# Altium PCB BTF16_2.PcbDoc (part 3 of 4)
Units mm, origin at the board's own origin, x right, y up, seen from the top; angles counter-clockwise.
Board outline 150 x 212.5 mm, 4 copper layers (L1, L2, L3, L4), stack 1.606 mm thick; 313 components, 135 nets, 1767 pads, 1746 vias.
Unrouted connection lines stored in the file: 6.
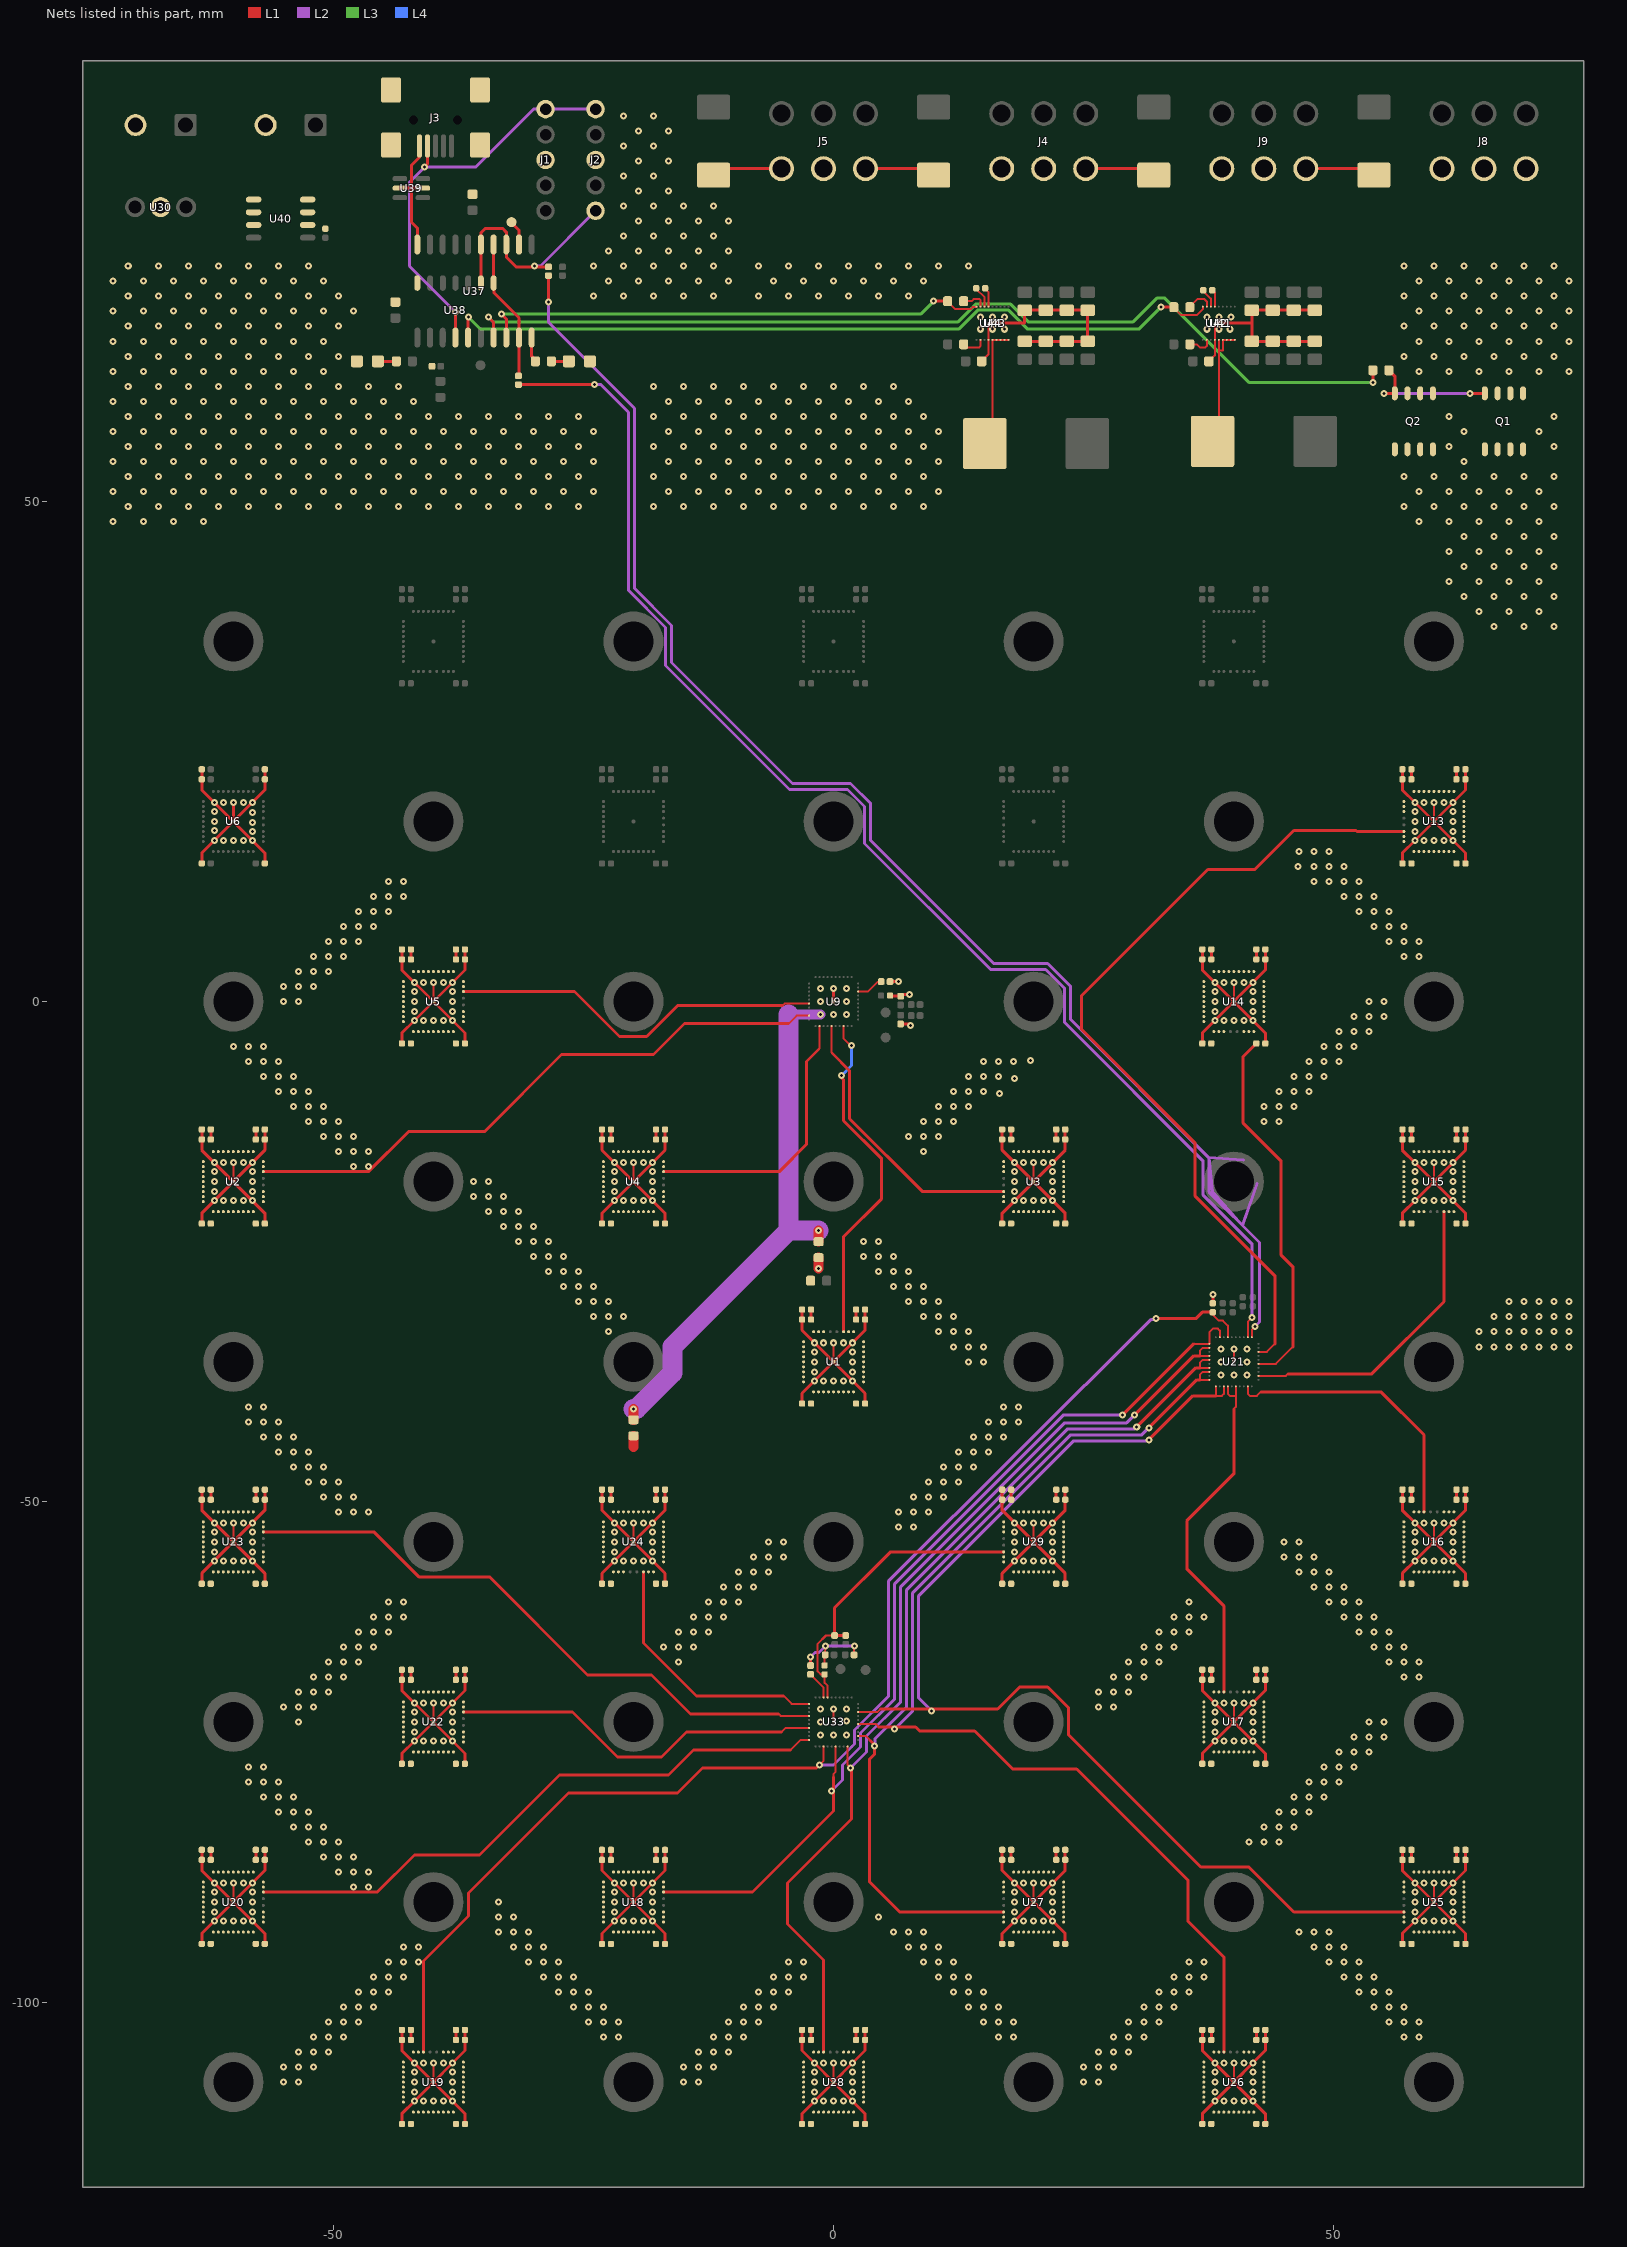
[diagram p5: the nets of this part, all layers, seen from the top]

## Via types
v1: diameter 0.7/0.7/0.7/0.7 (per signal layer), hole 0.3, L1 to L4, 1746 vias

## Nets (pads, with @x,y where several pads share a name; then routed paths per layer and width w, separated by ;. In a path a pad name is that pad's centre, name@x,y a point inside that pad or via, vN(x,y) a via of type N, cw(c..) or ccw(c..) an arc to the next point about the centre after c; other vN are vias at no path point) (continued)
GND: C206.2 C207.2 C208.2 C209.2 C211.2 C212.2 C213.2 C214.2 C215.2 C216.2 C217.2 C218.2 C219.2 C221.2 C222.2 C223.2 C224.2 C225.2 C226.2 C227.2 C228.2 D1.1 D2.2 D3.1 D4.2 D5.2 D6.2 J1.3 J2.3 J3.5 J3.6 J3.7 J3.8 J3.9 J4.4 J4.5 J4.6 J5.4 J5.5 J5.6 J6.2 J7.2 J8.4 J8.5 J8.6 J9.4 J9.5 J9.6 Q1.1 Q1.2 Q1.3 Q2.1 Q2.2 Q2.3 R12.2 U30.2 U37.20 U38.14 U39.2 U39.5 U40.2 U40.3 U40.4 U40.5 U40.6 U40.7 U41.3 U41.17 U42.4 U42.17 U43.3 U43.17 U44.4 U44.17 | length 90.8
  L1 w0.2: C219.2@14.8,64 14.8,64.025 15.5,64.725 U43.3@15.5,66.15 15.5,67.8 U44.17@15.7,67.8 ; C209.2@37.5,64 38.1,64.6 U41.3@38.1,66.15 38.1,67.6 U42.17@38.3,67.8
  L1 w0.3: U39.2@-43.35,81.3 -42.2,81.3 ; U37.20@-41.607,75.67 -41.6,75.677 -41.6,77.3 -42.2,77.9 -42.2,81.3 ; J3.5@-41.392,85.52 -41.392,84.4 -42.2,83.6 -42.2,81.3 ; U39.5@-41.05,81.3 -42.2,81.3 ; D4.2@-12,82.6 -12,83.25 J5.4@-5.2,83.25 ; J5.6@3.2,83.25 10.1,83.25 10,83.15 D2.2@10,82.6 ; U44.17@15.7,67.8 U43.17@16.1,67.8 19.1,67.8 C226.2@19.1,69.1 C227.2@21.2,69.1 C228.2@23.3,69.1 C225.2@25.4,69.1 C224.2@25.4,66 C221.2@23.3,66 C223.2@21.2,66 C222.2@19.1,66 ; J4.6@25.2,83.25 31.8,83.25 32,83.05 D5.2@32,82.6 ; U42.17@38.3,67.8 U41.17@38.5,67.8 ; v1(38.5,68.4) U41.17@38.5,67.8 ; J9.6@47.2,83.25 53.35,83.25 D6.2@54,82.6 ; C214.2@48.1,66 C211.2@46,66 C213.2@43.9,66 C212.2@41.8,66 41.8,67.8 ; C215.2@48.1,69.1 C218.2@46,69.1 C217.2@43.9,69.1 C216.2@41.8,69.1 41.8,67.8 ; U41.17@38.5,67.8 U41.17@38.7,67.8 41.8,67.8
  other v1: -72,48 -69,48 -66,48 -63,48 -70.5,49.5 -67.5,49.5 -64.5,49.5 -61.5,49.5 -58.5,49.5 -55.5,49.5 -52.5,49.5 -49.5,49.5 -46.5,49.5 -43.5,49.5 -40.5,49.5 -37.5,49.5 -34.5,49.5 -31.5,49.5 -28.5,49.5 -25.5,49.5 -18,49.5 -15,49.5 -12,49.5 -9,49.5 -6,49.5 -3,49.5 0,49.5 3,49.5 6,49.5 9,49.5 -72,51 -69,51 -66,51 -63,51 -60,51 -57,51 -54,51 -51,51 -48,51 -45,51 -42,51 -39,51 -36,51 -33,51 -30,51 -27,51 -24,51 -16.5,51 -13.5,51 -10.5,51 -7.5,51 -4.5,51 -1.5,51 1.5,51 4.5,51 7.5,51 10.5,51 -70.5,52.5 -67.5,52.5 -64.5,52.5 -61.5,52.5 -58.5,52.5 -55.5,52.5 -52.5,52.5 -49.5,52.5 -46.5,52.5 -43.5,52.5 -40.5,52.5 -37.5,52.5 -34.5,52.5 -31.5,52.5 -28.5,52.5 -25.5,52.5 -18,52.5 -15,52.5 -12,52.5 -9,52.5 -6,52.5 -3,52.5 0,52.5 3,52.5 6,52.5 9,52.5 -72,54 -69,54 -66,54 -63,54 -60,54 -57,54 -54,54 -51,54 -48,54 -45,54 -42,54 -39,54 -36,54 -33,54 -30,54 -27,54 -24,54 -16.5,54 -13.5,54 -10.5,54 -7.5,54 -4.5,54 -1.5,54 1.5,54 4.5,54 7.5,54 10.5,54 -70.5,55.5 -67.5,55.5 -64.5,55.5 -61.5,55.5 -58.5,55.5 -55.5,55.5 -52.5,55.5 -49.5,55.5 -46.5,55.5 -43.5,55.5 -40.5,55.5 -37.5,55.5 -34.5,55.5 -31.5,55.5 -28.5,55.5 -25.5,55.5 -18,55.5 -15,55.5 -12,55.5 -9,55.5 -6,55.5 -3,55.5 0,55.5 3,55.5 6,55.5 9,55.5 -72,57 -69,57 -66,57 -63,57 -60,57 -57,57 -54,57 -51,57 -48,57 -45,57 -42,57 -39,57 -36,57 -33,57 -30,57 -27,57 -24,57 -16.5,57 -13.5,57 -10.5,57 -7.5,57 -4.5,57 -1.5,57 1.5,57 4.5,57 7.5,57 10.5,57 -70.5,58.5 -67.5,58.5 -64.5,58.5 -61.5,58.5 -58.5,58.5 -55.5,58.5 -52.5,58.5 -49.5,58.5 -46.5,58.5 -43.5,58.5 -40.5,58.5 -37.5,58.5 -34.5,58.5 -31.5,58.5 -28.5,58.5 -25.5,58.5 -18,58.5 -15,58.5 -12,58.5 -9,58.5 -6,58.5 -3,58.5 0,58.5 3,58.5 6,58.5 9,58.5 -72,60 -69,60 -66,60 -63,60 -60,60 -57,60 -54,60 -51,60 -48,60 -45,60 -42,60 -16.5,60 -13.5,60 -10.5,60 -7.5,60 -4.5,60 -1.5,60 1.5,60 4.5,60 7.5,60 -70.5,61.5 -67.5,61.5 -64.5,61.5 -61.5,61.5 -58.5,61.5 -55.5,61.5 -52.5,61.5 -49.5,61.5 -46.5,61.5 -43.5,61.5 -18,61.5 -15,61.5 -12,61.5 -9,61.5 -6,61.5 -3,61.5 0,61.5 3,61.5 6,61.5 -72,63 -69,63 -66,63 -63,63 -60,63 -57,63 -54,63 -51,63 58.5,63 61.5,63 64.5,63 67.5,63 70.5,63 73.5,63 -70.5,64.5 -67.5,64.5 -64.5,64.5 -61.5,64.5 -58.5,64.5 -55.5,64.5 -52.5,64.5 -49.5,64.5 57,64.5 60,64.5 63,64.5 66,64.5 69,64.5 72,64.5 -72,66 -69,66 -66,66 -63,66 -60,66 -57,66 -54,66 -51,66 58.5,66 61.5,66 64.5,66 67.5,66 70.5,66 73.5,66 14.7,67.2 15.9,67.2 17.1,67.2 37.3,67.2 38.5,67.2 39.6,67.2 -70.5,67.5 -67.5,67.5 -64.5,67.5 -61.5,67.5 -58.5,67.5 -55.5,67.5 -52.5,67.5 -49.5,67.5 57,67.5 60,67.5 63,67.5 66,67.5 69,67.5 72,67.5 14.7,68.4 15.9,68.4 17.1,68.4 37.3,68.4 39.7,68.4 -72,69 -69,69 -66,69 -63,69 -60,69 -57,69 -54,69 -51,69 -48,69 58.5,69 61.5,69 64.5,69 67.5,69 70.5,69 73.5,69 -70.5,70.5 -67.5,70.5 -64.5,70.5 -61.5,70.5 -58.5,70.5 -55.5,70.5 -52.5,70.5 -49.5,70.5 -24,70.5 -21,70.5 -18,70.5 -15,70.5 -12,70.5 -7.5,70.5 -4.5,70.5 -1.5,70.5 1.5,70.5 4.5,70.5 7.5,70.5 57,70.5 60,70.5 63,70.5 66,70.5 69,70.5 72,70.5 -72,72 -69,72 -66,72 -63,72 -60,72 -57,72 -54,72 -51,72 -22.5,72 -19.5,72 -16.5,72 -13.5,72 -10.5,72 -6,72 -3,72 0,72 3,72 6,72 9,72 58.5,72 61.5,72 64.5,72 67.5,72 70.5,72 73.5,72 -70.5,73.5 -67.5,73.5 -64.5,73.5 -61.5,73.5 -58.5,73.5 -55.5,73.5 -52.5,73.5 -24,73.5 -21,73.5 -18,73.5 -15,73.5 -12,73.5 -7.5,73.5 -4.5,73.5 -1.5,73.5 1.5,73.5 4.5,73.5 7.5,73.5 10.5,73.5 13.5,73.5 57,73.5 60,73.5 63,73.5 66,73.5 69,73.5 72,73.5 -22.5,75 -19.5,75 -16.5,75 -13.5,75 -10.5,75 -21,76.5 -18,76.5 -15,76.5 -12,76.5 -19.5,78 -16.5,78 -13.5,78 -10.5,78 -21,79.5 -18,79.5 -15,79.5 -12,79.5 -19.5,81 -16.5,81 -21,82.5 -18,82.5 -19.5,84 -16.5,84 -21,85.5 -18,85.5 -19.5,87 -16.5,87 -21,88.5 -18,88.5
GND_M3: C49.2 R3.2 R4.2 R5.2 R24.1 R25.2 U9.41 | length 60
  L1 w0.3: U9.41@0,0 v1(0,1.3) ; R3.2@5.64,2 v1(6.5,2) ; C49.2@5.65,0.6 5.71,0.54 R4.2@6.7,0.54 6.8,0.64 6.8,0.7 v1(7.6,0.7) v1@7.6,0.54 ; R5.2@6.7,-2.24 7.7,-2.24 v1(7.7,-2.4)
  L1 w1: R25.2@-20,-41.8 v1(-20,-40.7) ; R24.1@-1.5,-24 v1(-1.5,-22.9)
  L2 w1: -4.5,-1.3 v1(-1.3,-1.3)
  L2 w2: v1(-20,-40.7) -19.7,-40.7 -16.1,-37.1 -16.1,-34.5 -4.5,-22.9 ; -4.5,-1.3 -4.5,-22.9 ; v1(-1.5,-22.9) -4.5,-22.9
  other v1: 0,-1.3 1.3,-1.3 -1.3,0 1.3,0 -1.3,1.3 1.3,1.3
MCLR: J1.1 J2.1 J3.4 U37.4 U38.4 | length 41.3
  L1 w0.3: v1(-40.9,83.4) -40.6,83.7 -40.592,83.7 J3.4@-40.592,85.52 ; v1(-37.8,68.9) -37.792,68.892 U38.4@-37.792,66.42
  L2 w0.3: v1(-37.8,68.9) -42.4,73.5 -42.4,81.9 v1(-40.9,83.4) -35.8,83.4 -30,89.2 J1.1@-28.792,89.2 J2.1@-23.792,89.2
MISO_MCU: J2.5 R16.1 U37.13 U37.15 U38.9 | length 23.5
  L1 w0.3: U38.9@-35.252,71.82 -35.257,71.825 U37.15@-35.257,75.67 -35.257,76.826 -34.8,77.283 -33.1,77.283 -32.717,76.9 U37.13@-32.717,75.67 -32.717,74.417 -31.74,73.44 v1@-29.9,73.44 ; v1(-29.9,73.5) v1@-29.9,73.44 ; R16.1@-28.5,73.44 v1@-29.9,73.44
  L2 w0.3: v1(-29.9,73.5) -29.868,73.532 -29.3,73.532 J2.5@-23.792,79.04
MISO_TX0: R16.2 U21.11 | length 158.3
  L1 w0.2: U21.11@41.8,-33.55 41.8,-32.8 v1(42.1,-32.5)
  L1 w0.3: v1(-28.5,69.9) R16.2@-28.5,72.56
  L2 w0.3: v1(-28.5,69.9) -28.5,67.9 -19.9,59.3 -19.9,41.3 -16.2,37.6 -16.2,33.9 -4.1,21.8 1.7,21.8 3.7,19.8 3.7,16.1 16,3.8 21.4,3.8 23.7,1.5 23.7,-1.8 37.5,-15.6 ; 37.894,-19.043 37.5,-15.6 ; 37.898,-19.05 40.868,-22.368 42.344,-18.166 ; 40.956,-15.853 37.5,-15.6 ; v1(42.1,-32.5) 42.575,-32.025 42.575,-24.075 37.5,-19 37.5,-15.6
MOSI_MCU: R15.1 U37.9 U37.14 U38.8 | length 14.2
  L1 w0.3: U37.14@-33.987,75.67 -33.987,71.825 U38.8@-33.982,71.82 -33.947,71.785 -33.947,70.847 -31.447,68.347 U37.9@-31.447,66.37 -31.447,62.593 R15.1@-31.5,62.54
MOSI_RX0: R15.2 U21.12 | length 137.2
  L1 w0.2: U21.12@41.4,-33.55 41.4,-32 v1(41.8,-31.6)
  L1 w0.3: R15.2@-31.5,61.66 -23.94,61.66 v1(-23.9,61.7)
  L2 w0.3: v1(-23.9,61.7) -23.3,61.7 -20.5,58.9 -20.5,41.1 -16.8,37.4 -16.8,33.6 -4.4,21.2 1.4,21.2 3.1,19.5 3.1,15.8 15.7,3.2 21.2,3.2 23.1,1.3 23.1,-2.1 36.9,-15.9 36.9,-19.3 41.8,-24.2 v1(41.8,-31.6)
NetC210_1: C210.1 U41.15 U42.14 | length 2
  L1 w0.2: C210.1@36.95,71.1 36.95,71.051 36.901,71.051 37.7,70.253 U41.15@37.7,69.45
NetC210_2: C210.2 U41.14 U42.13 | length 1.8
  L1 w0.2: C210.2@37.85,71.1 38.1,70.85 U41.14@38.1,69.45
NetC220_1: C220.1 U43.15 U44.14 | length 2.2
  L1 w0.2: C220.1@14.25,71.3 14.25,71.2 15.1,70.4 U43.15@15.1,69.45
NetC220_2: C220.2 U43.14 U44.13 | length 2.1
  L1 w0.2: C220.2@15.15,71.3 15.1,71.3 15.5,70.9 U43.14@15.5,69.45
NetD1_2: D1.2 R13.1 | length 1.7
  L1 w0.3: R13.1@-28.2,64 D1.2@-26.45,64
NetD3_2: D3.2 R14.1 | length 1.9
  L1 w0.3: D3.2@-45.55,64 R14.1@-43.7,64
NetL1_2: L1.2 U41.4 U41.5 U41.6 U41.7 U41.8 U42.5 U42.6 U42.7 U42.8 | length 13.4
  L1 w0.2: L1.2@37.875,56 38.5,56 38.5,65.1 ; U41.4@38.5,66.15 38.5,65.1 ; U41.8@40.1,66.15 U41.7@39.7,66.15 U41.6@39.3,66.15 U41.5@38.9,66.15 38.9,65.1 38.5,65.1
NetL2_2: L2.2 U43.4 U43.5 U43.6 U43.7 U43.8 U44.5 U44.6 U44.7 U44.8 | length 13.2
  L1 w0.2: L2.2@15.9,55.771 U43.4@15.9,66.15 U43.5@16.3,66.15 U43.6@16.7,66.15 U43.7@17.1,66.15 U43.8@17.5,66.15
  L1 w0.3: L2.2@15.117,55.771 15.9,55.771 L2.2@16.3,55.771
NetR13_2: R13.2 U37.10 | length 2.5
  L1 w0.3: U37.10@-30.177,66.37 -30.177,64.5 -29.8,64.123 R13.2@-29.8,64
NetR19_2: R19.2 U41.1 U42.2 | length 2.5
  L1 w0.2: R19.2@35.6,65.7 36.3,65.7 36.6,65.4 37.162,65.4 37.3,65.538 U41.1@37.3,66.15
NetR20_2: R20.2 U41.16 U42.15 | length 2.7
  L1 w0.2: R20.2@35.6,69.4 35.6,69.45 36.35,70.2 37.074,70.2 37.3,69.974 U41.16@37.3,69.45
NetR21_2: R21.2 U43.1 U44.2 | length 2.5
  L1 w0.2: R21.2@13.3,65.4 14.562,65.4 14.7,65.538 U43.1@14.7,66.15
  L1 w0.3: R21.2@13,65.7 R21.2@13.3,65.4
NetR22_2: R22.2 U43.16 U44.15 | length 2.5
  L1 w0.2: R22.2@13,70 13.8,70 14,70.2 14.6,70.2 14.7,70.1 U43.16@14.7,69.45
NetTP5_1: TP5.1 U37.12 | length 2.5
  L1 w0.3: TP5.1@-32.2,77.9 -32.2,77.853 -31.447,77.1 U37.12@-31.447,75.67
PAR_2: R8.1 U33.18 | length 2.8
  L1 w0.2: R8.1@-2.3,-67.24 -2.184,-67.386 -1,-68.57 U33.18@-1,-69.55
PAR_3: R3.1 U9.18 | length 2.7
  L1 w0.2: U9.18@2.45,1 3.419,1 4.4,1.981 4.741,1.981 R3.1@4.76,2
POWER_ON_OFF: Q1.4 Q2.4 R18.2 | length 13.7
  L1 w0.3: v1(55,60.8) Q2.4@56.095,60.8 56.095,62.505 R18.2@55.5,63.1 ; v1(63.6,60.8) Q1.4@65.095,60.8
  L2 w0.3: v1(55,60.8) v1(63.6,60.8)
PWM1: R20.1 U37.5 U38.5 U42.16 | length 79.2
  L1 w0.2: R20.1@34,69.4 34,69.35 34.75,68.6 36.3,68.6 36.9,69.2 U42.16@36.9,69.45
  L1 w0.3: U38.5@-36.522,66.42 -36.522,68.4 v1(-36.5,68.4) ; v1(32.7,69.4) R20.1@34,69.4
  L3 w0.3: v1(-36.5,68.4) -35.3,67.2 12.5,67.2 14.4,69.1 17.5,69.1 19.4,67.2 30.5,67.2 v1(32.7,69.4)
PWM2: R22.1 U37.8 U44.16 | length 51.1
  L1 w0.2: R22.1@11.4,70 11.4,69.95 12.15,69.2 13.7,69.2 13.908,69.408 14.3,69.408 U44.16@14.3,69.45
  L1 w0.3: v1(-33.2,68.7) -32.717,68.217 U37.8@-32.717,66.37 ; v1(10,70) R22.1@11.4,70
  L3 w0.3: v1(-33.2,68.7) 8.7,68.7 v1(10,70)
PWR: R18.1 U37.7 U38.7 | length 98
  L1 w0.3: v1(-34.5,68.4) -34,67.9 -33.982,67.9 U38.7@-33.982,66.42 ; v1(53.9,61.9) R18.1@53.9,63.1
  L3 w0.3: v1(-34.5,68.4) -34,67.9 12.4,67.9 14.2,69.7 17.7,69.7 19.5,67.9 29.9,67.9 32.3,70.3 33.1,70.3 41.5,61.9 v1(53.9,61.9)
PWR0: C72.2 C73.2 C74.2 C84.2 C85.2 C86.2 C120.2 Q1.5 Q1.6 Q1.7 Q1.8 Q2.5 Q2.6 Q2.7 Q2.8 U13.36 U21.41 | length 28.1
  L1 w0.2: U21.41@40,-36 v1(40,-34.7) ; U13.36@60,18 v1(60,19.9)
  L1 w0.3: C120.2@37.9,-30.15 v1(37.9,-29.3) ; C72.2@56.849,13.816 56.849,14.849 v1(58.1,16.1) U13.36@60,18 ; C73.2@56.849,23.216 56.849,21.151 v1(58.1,19.9) U13.36@60,18 ; C86.2@63.149,13.816 63.149,14.851 v1(61.9,16.1) U13.36@60,18 ; C74.2@63.149,23.216 C84.2@63.149,22.216 63.149,21.149 v1(61.9,19.9) U13.36@60,18
  other v1: 38.7,-37.3 40,-37.3 41.3,-37.3 38.7,-36 41.3,-36 38.7,-34.7 41.3,-34.7 59,16.1 60,16.1 61,16.1 58.1,17 61.9,17 58.1,18 61.9,18 58.1,19 61.9,19 59,19.9 61,19.9 66,37.5 69,37.5 72,37.5 64.5,39 67.5,39 70.5,39 63,40.5 66,40.5 69,40.5 72,40.5 61.5,42 64.5,42 67.5,42 70.5,42 63,43.5 66,43.5 69,43.5 72,43.5 61.5,45 64.5,45 67.5,45 70.5,45 63,46.5 66,46.5 69,46.5 72,46.5 58.5,48 61.5,48 64.5,48 67.5,48 70.5,48 57,49.5 60,49.5 63,49.5 66,49.5 69,49.5 72,49.5 58.5,51 61.5,51 64.5,51 67.5,51 70.5,51 57,52.5 60,52.5 63,52.5 66,52.5 69,52.5 72,52.5 63,54 61.5,55.5 72,55.5 63,57 70.5,57 61.5,58.5 72,58.5
PWR1: C72.1 C73.1 C74.1 C75.2 C76.2 C77.2 C84.1 C85.1 C86.1 C87.2 C88.2 C89.2 U13.1 U13.2 U13.3 U13.4 U13.5 U13.6 U13.7 U13.8 U13.9 U13.10 U13.11 U13.12 U13.13 U13.14 U13.15 U13.16 U13.17 U13.18 U13.19 U13.20 U13.21 U13.24 U13.25 U13.26 U13.27 U13.28 U13.29 U13.30 U13.31 U13.32 U13.33 U13.34 U13.35 U14.36 U21.8 | length 111.8
  L1 w0.2: U14.36@40,0 v1(40,1.9) ; U21.8@42.45,-35 43.3,-35 44.1,-34.2
  L1 w0.3: C75.2@36.849,-4.184 36.849,-3.151 v1(38.1,-1.9) U14.36@40,0 ; C76.2@36.849,5.216 C88.2@36.849,4.216 36.849,3.151 U14.36@40,0 ; C89.2@43.149,-4.184 43.149,-3.149 U14.36@40,0 ; C77.2@43.149,5.216 43.149,3.149 v1(41.9,1.9) U14.36@40,0 ; 44.1,-34.2 44.1,-27.4 36.1,-19.4 36.1,-14.1 24.8,-2.8 24.8,0.6 37.4,13.2 42.1,13.2 46,17.1 52.203,17.1 52.303,17 U13.24@57,17
  L1 w0.305: C85.1@57.749,22.216 C73.1@57.749,23.216 ; C84.1@62.249,22.216 C74.1@62.249,23.216
  other v1: 39,-1.9 40,-1.9 41,-1.9 41.9,-1.9 38.1,-1 41.9,-1 38.1,0 41.9,0 38.1,1 41.9,1 38.1,1.9 39,1.9 41,1.9 57,4.5 58.5,4.5 55.5,6 57,6 58.5,6 54,7.5 55.5,7.5 57,7.5 52.5,9 54,9 55.5,9 51,10.5 52.5,10.5 54,10.5 48,12 49.5,12 51,12 52.5,12 46.4,13.5 48,13.5 49.5,13.5 51,13.5 46.5,15 48,15 49.5,15
PWR2: C75.1 C76.1 C77.1 C78.2 C79.2 C80.2 C87.1 C88.1 C89.1 C90.2 C91.2 C92.2 U14.1 U14.2 U14.3 U14.4 U14.5 U14.6 U14.7 U14.8 U14.9 U14.10 U14.11 U14.12 U14.13 U14.14 U14.15 U14.16 U14.17 U14.18 U14.19 U14.20 U14.21 U14.24 U14.25 U14.26 U14.27 U14.28 U14.29 U14.30 U14.31 U14.32 U14.33 U14.34 U14.35 U15.36 U21.5 | length 65
  L1 w0.2: U21.5@42.45,-36.2 44.2,-36.2 45.9,-34.5 ; U15.36@60,-18 v1(60,-16.1)
  L1 w0.3: C89.1@42.249,-4.184 40.9,-5.533 40.9,-12.1 44.7,-15.9 44.7,-25.3 45.9,-26.5 45.9,-34.5 ; C78.2@56.849,-22.184 56.849,-21.151 v1(58.1,-19.9) U15.36@60,-18 ; C79.2@56.849,-12.784 56.849,-14.849 v1(58.1,-16.1) U15.36@60,-18 ; C92.2@63.149,-22.184 63.149,-21.149 v1(61.9,-19.9) U15.36@60,-18 ; C80.2@63.149,-12.784 C90.2@63.149,-13.784 63.149,-14.851 v1(61.9,-16.1) U15.36@60,-18
  L1 w0.305: C88.1@37.749,4.216 C76.1@37.749,5.216 ; C87.1@42.249,4.216 C77.1@42.249,5.216
  other v1: 59,-19.9 60,-19.9 61,-19.9 58.1,-19 61.9,-19 58.1,-18 61.9,-18 58.1,-17 61.9,-17 59,-16.1 61,-16.1 43,-12 44.5,-12 43,-10.5 44.5,-10.5 46,-10.5 44.5,-9 46,-9 47.5,-9 46,-7.5 47.5,-7.5 49,-7.5 47.5,-6 49,-6 50.5,-6 49,-4.5 50.5,-4.5 52,-4.5 50.5,-3 52,-3 53.5,-3 52,-1.5 53.5,-1.5 55,-1.5 53.5,0 55,0
PWR3: C78.1 C79.1 C80.1 C81.2 C82.2 C83.2 C90.1 C91.1 C92.1 C93.2 C94.2 C95.2 U15.1 U15.2 U15.3 U15.4 U15.5 U15.6 U15.7 U15.8 U15.9 U15.10 U15.11 U15.12 U15.13 U15.14 U15.15 U15.16 U15.17 U15.18 U15.19 U15.20 U15.21 U15.24 U15.25 U15.26 U15.27 U15.28 U15.29 U15.30 U15.31 U15.32 U15.33 U15.34 U15.35 U16.36 U21.2 | length 58.5
  L1 w0.2: U21.2@42.45,-37.4 45.2,-37.4 45.4,-37.2 ; U16.36@60,-54 v1(60,-52.1)
  L1 w0.3: 45.4,-37.2 53.8,-37.2 61,-30 U15.24@61,-21 ; C81.2@56.849,-58.184 56.849,-57.151 v1(58.1,-55.9) U16.36@60,-54 ; C82.2@56.849,-48.784 56.849,-50.849 v1(58.1,-52.1) U16.36@60,-54 ; C95.2@63.149,-58.184 63.149,-57.149 v1(61.9,-55.9) U16.36@60,-54 ; C83.2@63.149,-48.784 C93.2@63.149,-49.784 63.149,-50.851 v1(61.9,-52.1) U16.36@60,-54
  L1 w0.305: C91.1@57.749,-13.784 C79.1@57.749,-12.784 ; C90.1@62.249,-13.784 C80.1@62.249,-12.784
  other v1: 59,-55.9 60,-55.9 61,-55.9 58.1,-55 61.9,-55 58.1,-54 61.9,-54 58.1,-53 61.9,-53 59,-52.1 61,-52.1 64.5,-34.5 66,-34.5 67.5,-34.5 69,-34.5 70.5,-34.5 72,-34.5 73.5,-34.5 64.5,-33 66,-33 67.5,-33 69,-33 70.5,-33 72,-33 73.5,-33 66,-31.5 67.5,-31.5 69,-31.5 70.5,-31.5 72,-31.5 73.5,-31.5 67.5,-30 69,-30 70.5,-30 72,-30 73.5,-30
PWR4: C81.1 C82.1 C83.1 C93.1 C94.1 C95.1 C96.2 C97.2 C98.2 C108.2 C109.2 C110.2 U16.1 U16.2 U16.3 U16.4 U16.5 U16.6 U16.7 U16.8 U16.9 U16.10 U16.11 U16.12 U16.13 U16.14 U16.15 U16.16 U16.17 U16.18 U16.19 U16.20 U16.21 U16.24 U16.25 U16.26 U16.27 U16.28 U16.29 U16.30 U16.31 U16.32 U16.33 U16.34 U16.35 U17.36 U21.39 | length 56
  L1 w0.2: U17.36@40,-72 v1(40,-70.1) ; U21.39@41.4,-38.45 41.4,-39.2 41.6,-39.4 42.3,-39.4 42.7,-39
  L1 w0.3: C96.2@36.849,-76.184 36.849,-75.151 v1(38.1,-73.9) U17.36@40,-72 ; C97.2@36.849,-66.784 C109.2@36.849,-67.784 36.849,-68.849 U17.36@40,-72 ; 42.7,-39 54.7,-39 59,-43.3 U16.24@59,-51 ; C110.2@43.149,-76.184 43.149,-75.149 U17.36@40,-72 ; C98.2@43.149,-66.784 43.149,-68.851 v1(41.9,-70.1) U17.36@40,-72
  L1 w0.305: C94.1@57.749,-49.784 C82.1@57.749,-48.784 ; C93.1@62.249,-49.784 C83.1@62.249,-48.784
  other v1: 39,-73.9 40,-73.9 41,-73.9 41.9,-73.9 38.1,-73 41.9,-73 38.1,-72 41.9,-72 38.1,-71 41.9,-71 38.1,-70.1 39,-70.1 41,-70.1 57,-67.5 58.5,-67.5 55.5,-66 57,-66 58.5,-66 54,-64.5 55.5,-64.5 57,-64.5 52.5,-63 54,-63 55.5,-63 51,-61.5 52.5,-61.5 54,-61.5 49.5,-60 51,-60 52.5,-60 48,-58.5 49.5,-58.5 51,-58.5 46.5,-57 48,-57 49.5,-57 45,-55.5 46.5,-55.5 48,-55.5 45,-54 46.5,-54
PWR5: C96.1 C97.1 C98.1 C108.1 C109.1 C110.1 C139.2 C140.2 C141.2 C151.2 C152.2 C153.2 C187.2 R8.2 R9.2 R10.2 U17.1 U17.2 U17.3 U17.4 U17.5 U17.6 U17.7 U17.8 U17.9 U17.10 U17.11 U17.12 U17.13 U17.14 U17.15 U17.16 U17.17 U17.18 U17.19 U17.20 U17.21 U17.24 U17.25 U17.26 U17.27 U17.28 U17.29 U17.30 U17.31 U17.32 U17.33 U17.34 U17.35 U21.34 U21.36 U25.36 U33.41 | length 73.6